# Allegro board 8880F5-0823_2_1.brd (continued)
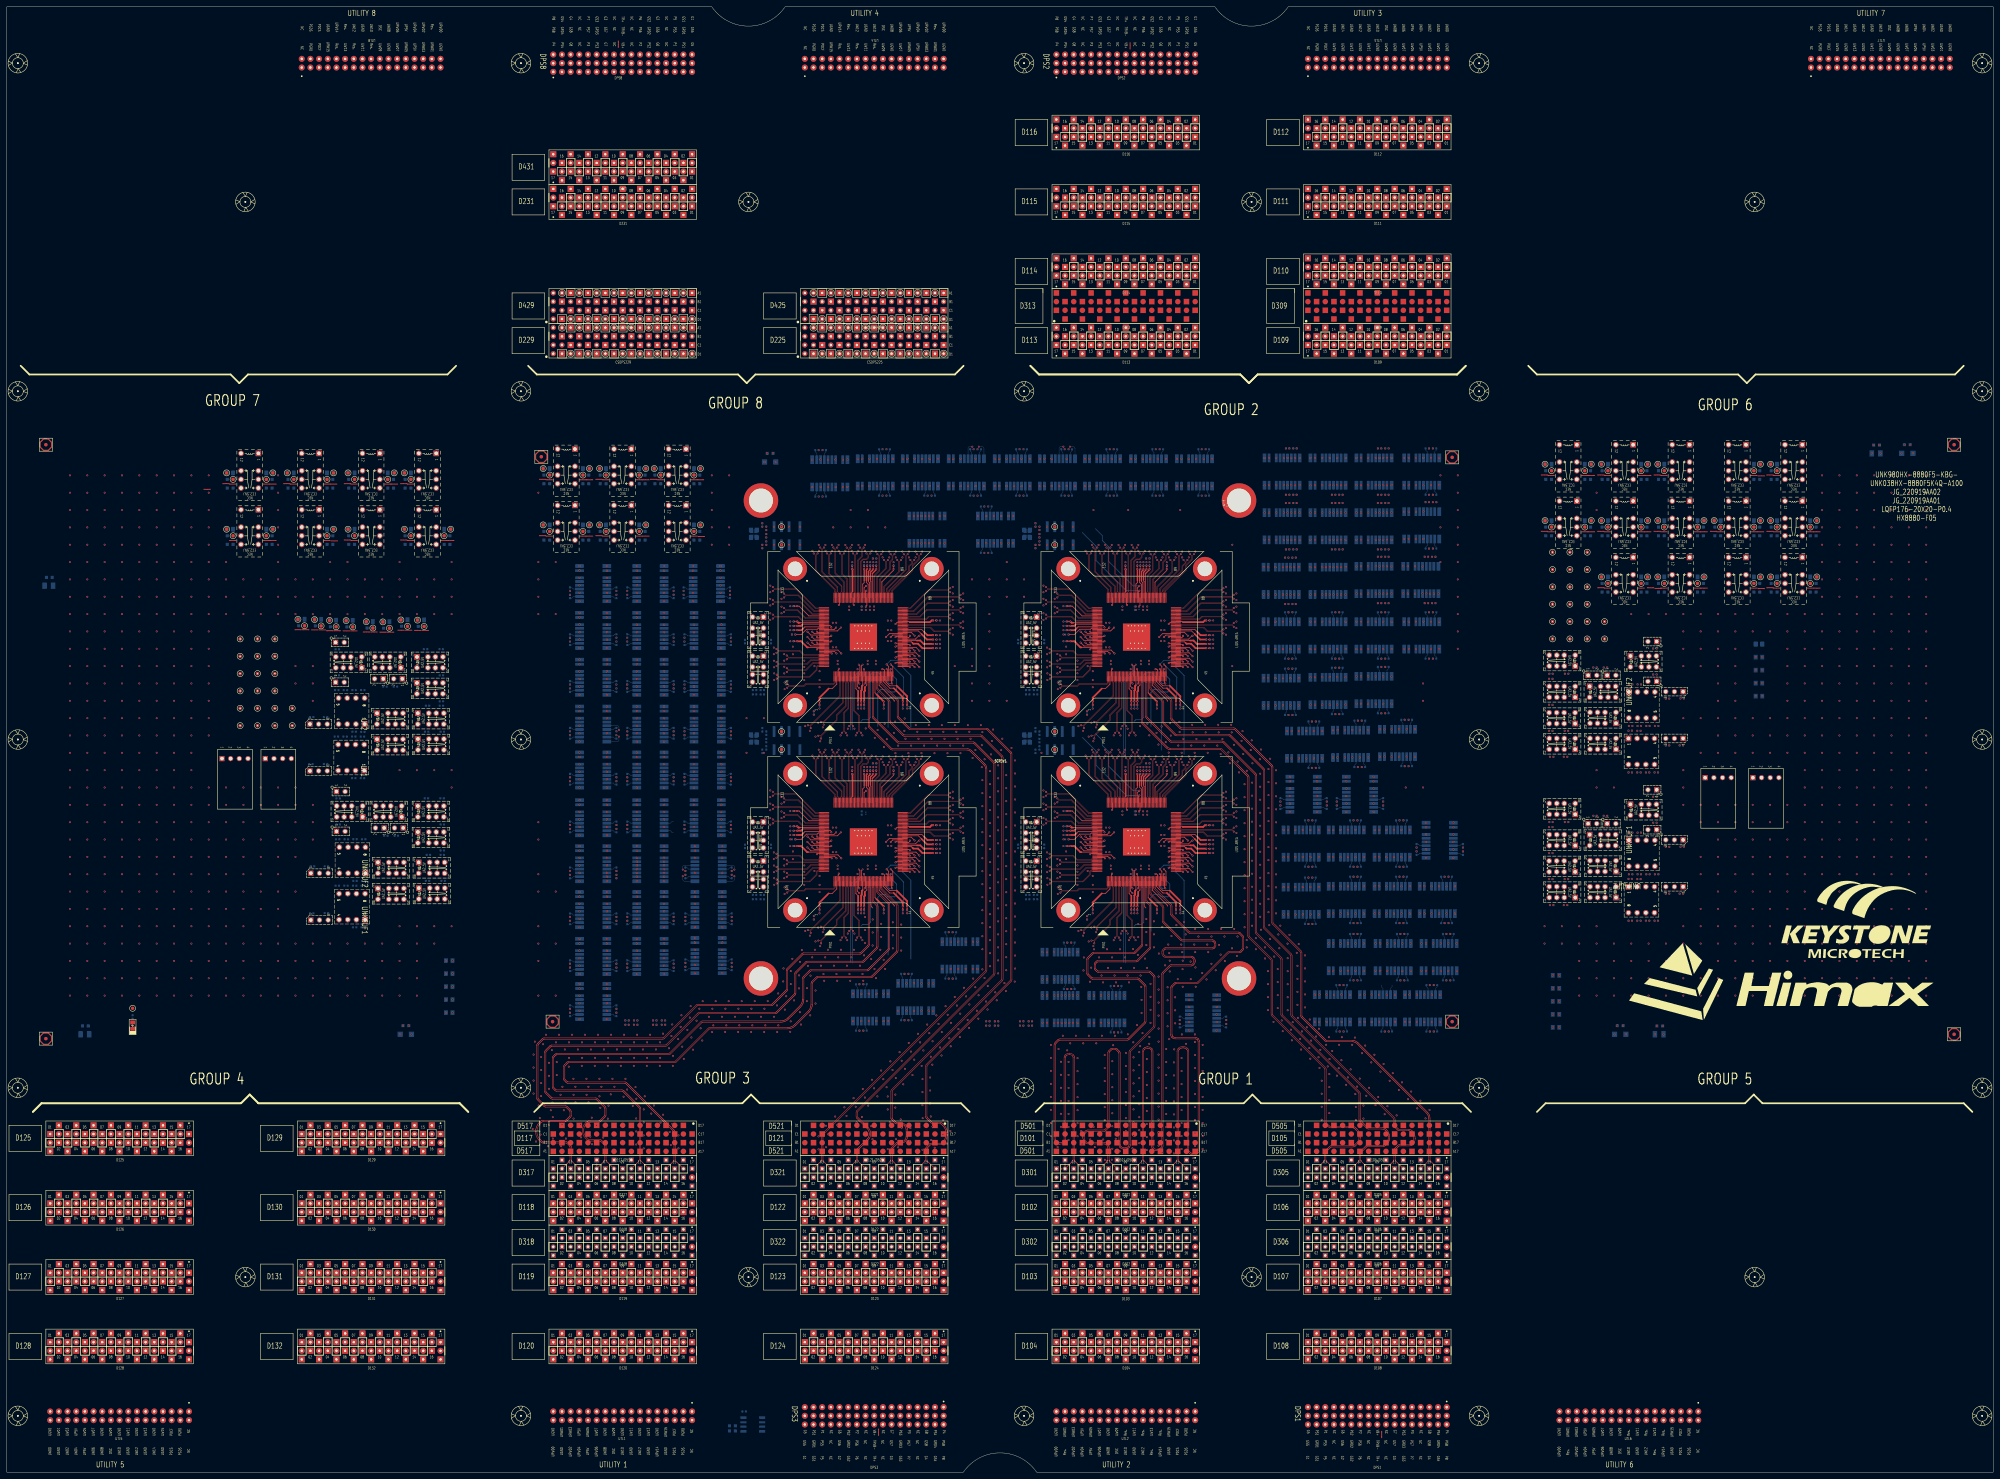
[diagram p0: board, top side]
## Placement (name value [footprint] x y rotation side) (continued)
NOREF#1974  -  []  339.89 288.41 90 top
NOREF#1975  -  []  456.08 171.53 0 top
NOREF#1976  -  []  373.87 171.39 0 top
NOREF#1977  -  []  107.02 171.57 0 top
NOREF#1978  -  []  459.24 175.86 0 top
NOREF#1979  -  []  339.97 204.35 90 top
NOREF#1980  -  []  390.94 273.16 90 top
NOREF#1981  -  []  218.13 274.06 0 top
NOREF#1982  -  []  390.53 171.64 0 top
NOREF#1983  -  []  184.47 247.18 90 top
NOREF#1984  -  []  449.99 217.9 0 top
NOREF#1985  -  []  201.23 233.47 90 top
NOREF#1986  -  []  209.33 201.79 90 top
NOREF#1987  -  []  192.47 164.3 90 top
NOREF#1988  -  []  461.96 166.93 0 top
NOREF#1989  -  []  185.2 276.04 90 top
NOREF#1990  -  []  167.7 201.89 90 top
NOREF#1991  -  []  412.62 297.12 0 top
NOREF#1992  -  []  392.47 272.66 90 top
NOREF#1993  -  []  388.43 146.88 0 top
NOREF#1994  -  []  182.57 185.42 0 top
NOREF#1995  -  []  414.57 265.37 0 top
NOREF#1996  -  []  96.33 238.84 0 top
NOREF#1997  -  []  272.25 185.5 0 top
NOREF#1998  -  []  304.61 131.64 0 top
NOREF#1999  -  []  215.96 177.06 0 top
NOREF#2000  -  []  387.39 281.11 0 top
NOREF#2001  -  []  352.25 245.5 0 top
NOREF#2002  -  []  330.17 163.82 90 top
NOREF#2003  -  []  199.84 148.65 90 top
NOREF#2004  -  []  253.4 205.56 0 top
NOREF#2005  -  []  397.8 163.19 90 top
NOREF#2006  -  []  115.36 235.64 0 top
NOREF#2007  -  []  405.93 256.82 90 top
NOREF#2008  -  []  177.33 187.32 90 top
NOREF#2009  -  []  209.23 218.65 90 top
NOREF#2010  -  []  271.04 182.96 0 top
NOREF#2011  -  []  408.63 290.39 90 top
NOREF#2012  -  []  351.04 245.5 0 top
NOREF#2013  -  []  351.34 189.5 0 top
NOREF#2014  -  []  175.7 250.38 90 top
NOREF#2015  -  []  250.49 163.52 90 top
NOREF#2016  -  []  413.51 207.71 90 top
NOREF#2017  -  []  375.22 163.39 0 top
NOREF#2018  -  []  251.05 265.86 90 top
NOREF#2019  -  []  327.25 265.56 90 top
NOREF#2020  -  []  184.47 229.07 90 top
NOREF#2021  -  []  167.7 241.43 90 top
NOREF#2022  -  []  331.38 224.74 90 top
NOREF#2023  -  []  367.48 242.38 90 top
NOREF#2024  -  []  405.93 272.56 90 top
NOREF#2025  -  []  155.57 291.65 90 top
NOREF#2026  -  []  230.73 243.41 0 top
NOREF#2027  -  []  248.96 164.74 0 top
NOREF#2028  -  []  310.41 248.88 90 top
NOREF#2029  -  []  298.13 214.06 90 top
NOREF#2030  -  []  384.36 131.89 0 top
NOREF#2031  -  []  108.01 195.15 0 top
NOREF#2032  -  []  351.04 189.18 0 top
NOREF#2033  -  []  401.89 180.15 0 top
NOREF#2034  -  []  318.32 131.64 0 top
NOREF#2035  -  []  199.59 189.04 90 top
NOREF#2036  -  []  352.55 181.37 0 top
NOREF#2037  -  []  336.77 163.82 90 top
NOREF#2038  -  []  460.89 174.46 90 top
NOREF#2039  -  []  192.47 243.88 90 top
NOREF#2040  -  []  253.4 265.55 0 top
NOREF#2041  -  []  271.34 185.18 0 top
NOREF#2042  -  []  275.28 290.13 90 top
NOREF#2043  -  []  250.49 164.74 90 top
NOREF#2044  -  []  456.08 230.2 0 top
NOREF#2045  -  []  400.24 198.08 90 top
NOREF#2046  -  []  262.34 143.19 0 top
NOREF#2047  -  []  260.99 135.19 90 top
NOREF#2048  -  []  324.65 288.86 0 top
NOREF#2049  -  []  295.96 177.06 0 top
NOREF#2050  -  []  271.82 134.74 90 top
NOREF#2051  -  []  247.78 140.14 0 top
NOREF#2052  -  []  271.04 249.82 0 top
NOREF#2053  -  []  352.25 182.32 90 top
NOREF#2054  -  []  215.96 248.49 0 top
NOREF#2055  -  []  275.12 271.65 90 top
NOREF#2056  -  []  219.76 297.18 0 top
NOREF#2057  -  []  201.49 178.86 90 top
NOREF#2058  -  []  310.43 246.34 0 top
NOREF#2059  -  []  253.4 264.35 90 top
NOREF#2060  -  []  230.73 246.66 0 top
NOREF#2061  -  []  331.54 192.73 90 top
NOREF#2062  -  []  397.3 209.36 0 top
NOREF#2063  -  []  230.43 187.61 0 top
NOREF#2064  -  []  230.73 183.41 0 top
NOREF#2065  -  []  230.43 243.09 0 top
NOREF#2066  -  []  177.33 201.29 90 top
NOREF#2067  -  []  272.25 184.23 0 top
NOREF#2068  -  []  238.3 223.52 90 top
NOREF#2069  -  []  119.7 238.84 0 top
NOREF#2070  -  []  229.21 193.37 0 top
NOREF#2071  -  []  259.65 265.86 90 top
NOREF#2072  -  []  459.24 219.3 0 top
NOREF#2073  -  []  404.15 289.12 0 top
NOREF#2074  -  []  394.66 274.38 90 top
NOREF#2075  -  []  247.57 264.65 90 top
NOREF#2076  -  []  194.09 242.18 90 top
NOREF#2077  -  []  251.62 204.35 90 top
NOREF#2078  -  []  256.73 132.14 0 top
NOREF#2079  -  []  108.27 171.02 0 top
NOREF#2080  -  []  372.72 161.49 0 top
NOREF#2081  -  []  272.25 241.05 90 top
NOREF#2082  -  []  240.94 151.63 90 top
NOREF#2083  -  []  241.82 167.13 90 top
NOREF#2084  -  []  336.77 225.04 90 top
NOREF#2085  -  []  495.08 277.31 90 top
NOREF#2086  -  []  192.57 228.97 90 top
NOREF#2087  -  []  328.42 129.74 90 top
NOREF#2088  -  []  165.8 158.5 0 top
NOREF#2089  -  []  399.8 207.46 90 top
NOREF#2090  -  []  155.57 272.6 90 top
NOREF#2091  -  []  168.69 290.01 90 top
NOREF#2092  -  []  175.7 189.02 90 top
NOREF#2093  -  []  184.47 206.29 90 top
NOREF#2094  -  []  247.25 265.56 0 top
NOREF#2095  -  []  461.86 230.75 0 top
NOREF#2096  -  []  303.26 139.64 0 top
NOREF#2097  -  []  201.66 213.45 90 top
NOREF#2098  -  []  304.65 211.67 0 top
NOREF#2099  -  []  312.79 288.86 90 top
NOREF#2100  -  []  284.77 288.86 0 top
NOREF#2101  -  []  310.43 193.37 90 top
NOREF#2102  -  []  400.91 207.71 0 top
NOREF#2103  -  []  247.78 132.14 90 top
NOREF#2104  -  []  373.68 249.11 0 top
NOREF#2105  -  []  424.05 163.64 90 top
NOREF#2106  -  []  116.01 222.33 0 top
NOREF#2107  -  []  333.4 265.56 0 top
NOREF#2108  -  []  108.01 222.33 0 top
NOREF#2109  -  []  302.11 240.71 0 top
NOREF#2110  -  []  192.57 174.36 90 top
NOREF#2111  -  []  230.43 247.61 90 top
NOREF#2112  -  []  395.2 249.11 0 top
NOREF#2113  -  []  165.8 254 90 top
NOREF#2114  -  []  388.66 139.89 0 top
NOREF#2115  -  []  98.78 195.15 0 top
NOREF#2116  -  []  342.63 296.86 0 top
NOREF#2117  -  []  184.47 241.43 90 top
NOREF#2118  -  []  340.83 174.63 90 top
NOREF#2119  -  []  332.83 205.86 90 top
NOREF#2120  -  []  260.99 143.19 0 top
NOREF#2121  -  []  230.73 249.2 0 top
NOREF#2122  -  []  313.22 288.31 90 top
NOREF#2123  -  []  314.55 286.96 0 top
NOREF#2124  -  []  336.45 164.74 0 top
NOREF#2125  -  []  310.73 243.41 0 top
NOREF#2126  -  []  334.61 205.86 90 top
NOREF#2127  -  []  342.04 164.74 0 top
NOREF#2128  -  []  398.53 161.74 90 top
NOREF#2129  -  []  295.96 177.06 0 top
NOREF#2130  -  []  373.32 164.66 90 top
NOREF#2131  -  []  295.96 248.49 0 top
NOREF#2132  -  []  405.93 240.66 90 top
NOREF#2133  -  []  385.61 208.56 90 top
NOREF#2134  -  []  192.47 236.67 90 top
NOREF#2135  -  []  518.38 257.36 90 top
NOREF#2136  -  []  184.89 240.88 90 top
NOREF#2137  -  []  167.7 178.86 90 top
NOREF#2138  -  []  327.25 205.56 0 top
NOREF#2139  -  []  450.03 210.36 0 top
NOREF#2140  -  []  394 217.36 0 top
NOREF#2141  -  []  118.45 239.39 0 top
NOREF#2142  -  []  410.78 131.89 0 top
NOREF#2143  -  []  401.87 194.18 90 top
NOREF#2144  -  []  122.15 195.15 0 top
NOREF#2145  -  []  272.24 181.05 90 top
NOREF#2146  -  []  226.44 294.64 90 top
NOREF#2147  -  []  465.81 171.53 0 top
NOREF#2148  -  []  177.33 133.47 90 top
NOREF#2149  -  []  253.4 205.56 90 top
NOREF#2150  -  []  184.47 227.72 0 top
NOREF#2151  -  []  459.28 236.14 90 top
NOREF#2152  -  []  251.05 205.86 90 top
NOREF#2153  -  []  301.56 190.49 0 top
NOREF#2154  -  []  257.9 246.35 90 top
NOREF#2155  -  []  343.31 224.72 0 top
NOREF#2156  -  []  463.61 222.58 0 top
NOREF#2157  -  []  271.34 182.64 0 top
NOREF#2158  -  []  344.37 128.27 90 top
NOREF#2159  -  []  155.57 289.11 90 top
NOREF#2160  -  []  396.55 273.11 0 top
NOREF#2161  -  []  387.39 297.12 0 top
NOREF#2162  -  []  192.47 257.6 90 top
NOREF#2163  -  []  118.33 286.94 90 top
NOREF#2164  -  []  209.23 222.95 90 top
NOREF#2165  -  []  222.11 252.14 0 top
NOREF#2166  -  []  223.15 271.32 90 top
NOREF#2167  -  []  410.52 289.12 0 top
NOREF#2168  -  []  310.43 193.37 0 top
NOREF#2169  -  []  230.43 187.61 90 top
NOREF#2170  -  []  272.25 241.69 0 top
NOREF#2171  -  []  329.6 223.52 90 top
NOREF#2172  -  []  200.98 260.9 90 top
NOREF#2173  -  []  333.4 204.35 90 top
NOREF#2174  -  []  456.08 186.77 0 top
NOREF#2175  -  []  383.09 289.12 0 top
NOREF#2176  -  []  319.33 243.63 90 top
NOREF#2177  -  []  192.47 148.38 90 top
NOREF#2178  -  []  302.71 132.91 90 top
NOREF#2179  -  []  201.23 186.57 90 top
NOREF#2180  -  []  166.06 162.12 90 top
NOREF#2181  -  []  351.04 241.69 0 top
NOREF#2182  -  []  274.37 147.93 90 top
NOREF#2183  -  []  232.25 211.67 90 top
NOREF#2184  -  []  342.36 223.82 90 top
NOREF#2185  -  []  310.41 243.09 90 top
NOREF#2186  -  []  343.31 224.74 0 top
NOREF#2187  -  []  311.15 159.63 90 top
NOREF#2188  -  []  229.51 187.93 0 top
NOREF#2189  -  []  315.16 290.13 90 top
NOREF#2190  -  []  272.25 181.05 90 top
NOREF#2191  -  []  478.57 274.77 90 top
NOREF#2192  -  []  107.02 171.57 0 top
NOREF#2193  -  []  271.04 242.96 0 top
NOREF#2194  -  []  373.32 181.42 90 top
NOREF#2195  -  []  329.16 296.86 0 top
NOREF#2196  -  []  411.26 179.7 90 top
NOREF#2197  -  []  376.98 257.11 0 top
NOREF#2198  -  []  339.33 205.55 0 top
NOREF#2199  -  []  380.53 217.11 0 top
NOREF#2200  -  []  385.19 297.12 0 top
NOREF#2201  -  []  343.95 223.52 90 top
NOREF#2202  -  []  392.47 224.4 90 top
NOREF#2203  -  []  209.49 148.63 90 top
NOREF#2204  -  []  201.23 219.75 90 top
NOREF#2205  -  []  472.86 210.36 90 top
NOREF#2206  -  []  377.23 241.16 90 top
NOREF#2207  -  []  188.08 291.65 90 top
NOREF#2208  -  []  263.44 135.19 0 top
NOREF#2209  -  []  392.47 256.66 90 top
NOREF#2210  -  []  165.8 199.39 0 top
NOREF#2211  -  []  182.82 216.47 90 top
NOREF#2212  -  []  184.47 151.68 90 top
NOREF#2213  -  []  201.49 159.65 0 top
NOREF#2214  -  []  250.17 165.04 90 top
NOREF#2215  -  []  394.46 129.99 90 top
NOREF#2216  -  []  407.67 129.99 90 top
NOREF#2217  -  []  460.93 234.74 90 top
NOREF#2218  -  []  306.85 211.67 0 top
NOREF#2219  -  []  192.47 209.49 90 top
NOREF#2220  -  []  471.21 175.95 90 top
NOREF#2221  -  []  333.72 265.86 90 top
NOREF#2222  -  []  403.41 209.61 0 top
NOREF#2223  -  []  167.7 227.72 0 top
NOREF#2224  -  []  312.21 144.34 0 top
NOREF#2225  -  []  201.49 151.93 90 top
NOREF#2226  -  []  392.04 257.11 90 top
NOREF#2227  -  []  390.34 192.28 0 top
NOREF#2228  -  []  119.99 214.79 0 top
NOREF#2229  -  []  247.89 264.35 90 top
NOREF#2230  -  []  406.65 271.21 90 top
NOREF#2231  -  []  379 288.57 90 top
NOREF#2232  -  []  284.77 146.93 90 top
NOREF#2233  -  []  401.52 210.88 90 top
NOREF#2234  -  []  404.24 146.88 0 top
NOREF#2235  -  []  459.24 175.86 90 top
NOREF#2236  -  []  229.51 183.41 0 top
NOREF#2237  -  []  226.27 216.63 90 top
NOREF#2238  -  []  388.43 146.88 0 top
NOREF#2239  -  []  271.04 184.23 0 top
NOREF#2240  -  []  351.04 249.18 0 top
NOREF#2241  -  []  375.73 199.18 90 top
NOREF#2242  -  []  167.7 192.32 90 top
NOREF#2243  -  []  167.7 206.29 90 top
NOREF#2244  -  []  304.65 271.67 0 top
NOREF#2245  -  []  343.98 288.86 0 top
NOREF#2246  -  []  366.88 239.21 0 top
NOREF#2247  -  []  194.09 146.68 90 top
NOREF#2248  -  []  396.22 139.89 0 top
NOREF#2249  -  []  167.7 233.47 90 top
NOREF#2250  -  []  352.24 243.59 90 top
NOREF#2251  -  []  249.6 223.52 90 top
NOREF#2252  -  []  105.83 190.55 90 top
NOREF#2253  -  []  396.28 163.69 90 top
NOREF#2254  -  []  119.76 127 90 top
NOREF#2255  -  []  272.25 242.32 90 top
NOREF#2256  -  []  393.31 131.89 90 top
NOREF#2257  -  []  310.41 188.88 90 top
NOREF#2258  -  []  376.15 192.88 90 top
NOREF#2259  -  []  119.7 231.22 0 top
NOREF#2260  -  []  66.26 287.84 90 top
NOREF#2261  -  []  35.83 128.17 90 top
NOREF#2262  -  []  259.33 265.55 0 top
NOREF#2263  -  []  419.47 241.11 90 top
NOREF#2264  -  []  399.07 208.81 90 top
NOREF#2265  -  []  352.24 183.59 90 top
NOREF#2266  -  []  405.93 224.56 90 top
NOREF#2267  -  []  339.33 265.56 0 top
NOREF#2268  -  []  460.93 191.31 90 top
NOREF#2269  -  []  182.57 226.57 90 top
NOREF#2270  -  []  199.33 240.28 90 top
NOREF#2271  -  []  309.21 243.09 0 top
NOREF#2272  -  []  451.64 222.5 0 top
NOREF#2273  -  []  330.73 205.55 0 top
NOREF#2274  -  []  259.33 205.56 0 top
NOREF#2275  -  []  392.66 192.88 90 top
NOREF#2276  -  []  351.34 241.37 0 top
NOREF#2277  -  []  230.43 183.09 90 top
NOREF#2278  -  []  209.23 216.45 90 top
NOREF#2279  -  []  468.85 257.36 90 top
NOREF#2280  -  []  378.33 241.11 90 top
NOREF#2281  -  []  101.82 290.38 90 top
NOREF#2282  -  []  387.08 171.64 0 top
NOREF#2283  -  []  175.8 187.82 90 top
NOREF#2284  -  []  377.23 224.65 90 top
NOREF#2285  -  []  413.96 182.44 90 top
NOREF#2286  -  []  380.59 287.22 0 top
NOREF#2287  -  []  332.61 296.86 0 top
NOREF#2288  -  []  217.41 213.24 90 top
NOREF#2289  -  []  331.94 264.65 90 top
NOREF#2290  -  []  351.04 244.23 0 top
NOREF#2291  -  []  226.83 209.63 90 top
NOREF#2292  -  []  230.73 253.69 0 top
NOREF#2293  -  []  394.05 271.21 0 top
NOREF#2294  -  []  201.23 192.32 90 top
NOREF#2295  -  []  256.77 225.04 90 top
NOREF#2296  -  []  390.94 224.9 90 top
NOREF#2297  -  []  271.34 183.91 0 top
NOREF#2298  -  []  259.33 205.55 0 top
NOREF#2299  -  []  381.74 249.11 0 top
NOREF#2300  -  []  336.45 164.72 0 top
NOREF#2301  -  []  405.93 272.66 90 top
NOREF#2302  -  []  194.09 228.47 90 top
NOREF#2303  -  []  175.8 201.79 90 top
NOREF#2304  -  []  461.86 225.6 90 top
NOREF#2305  -  []  453.88 214.96 0 top
NOREF#2306  -  []  108.27 178.64 0 top
NOREF#2307  -  []  385.19 281.11 0 top
NOREF#2308  -  []  250.49 224.74 90 top
NOREF#2309  -  []  94.93 190.55 0 top
NOREF#2310  -  []  463.11 230.2 0 top
NOREF#2311  -  []  308.14 296.86 0 top
NOREF#2312  -  []  118.96 179.19 0 top
NOREF#2313  -  []  167.7 219.75 90 top
NOREF#2314  -  []  332.51 265.56 0 top
NOREF#2315  -  []  175.7 137.37 90 top
NOREF#2316  -  []  184.47 149.48 90 top
NOREF#2317  -  []  185.2 273.5 90 top
NOREF#2318  -  []  184.47 165.4 90 top
NOREF#2319  -  []  451.64 179.06 0 top
NOREF#2320  -  []  390.69 241.11 0 top
NOREF#2321  -  []  302.11 142.44 0 top
NOREF#2322  -  []  175.8 174.36 90 top
NOREF#2323  -  []  332.51 204.35 90 top
NOREF#2324  -  []  528.1 273.87 90 top
NOREF#2325  -  []  167.7 256.5 90 top
NOREF#2326  -  []  199.33 199.39 90 top
NOREF#2327  -  []  331.62 205.55 0 top
NOREF#2328  -  []  327.89 264.35 90 top
NOREF#2329  -  []  418.38 131.89 0 top
NOREF#2330  -  []  351.04 184.23 0 top
NOREF#2331  -  []  371.48 241.11 0 top
NOREF#2332  -  []  390.69 273.11 0 top
NOREF#2333  -  []  184.47 201.89 90 top
NOREF#2334  -  []  413.1 144.98 0 top
NOREF#2335  -  []  395.07 129.99 0 top
NOREF#2336  -  []  192.47 230.17 90 top
NOREF#2337  -  []  453.88 186.77 0 top
NOREF#2338  -  []  320.83 194.63 0 top
NOREF#2339  -  []  465.45 273.87 90 top
NOREF#2340  -  []  261.63 195.43 90 top
NOREF#2341  -  []  339.65 204.65 90 top
NOREF#2342  -  []  272.24 241.05 90 top
NOREF#2343  -  []  272.55 242.64 0 top
NOREF#2344  -  []  415.1 163.64 0 top
NOREF#2345  -  []  317.05 288.86 0 top
NOREF#2346  -  []  371.48 265.11 0 top
NOREF#2347  -  []  310.43 187.61 90 top
NOREF#2348  -  []  351.83 288.91 90 top
NOREF#2349  -  []  230.41 193.37 90 top
NOREF#2350  -  []  310.43 188.88 90 top
NOREF#2351  -  []  501.87 273.87 90 top
NOREF#2352  -  []  221.56 171.46 0 top
NOREF#2353  -  []  167.7 159.65 90 top
NOREF#2354  -  []  118.7 222.88 0 top
NOREF#2355  -  []  398.65 233.11 0 top
NOREF#2356  -  []  352.25 183.59 90 top
NOREF#2357  -  []  289.01 272.1 0 top
NOREF#2358  -  []  528.1 259.9 90 top
NOREF#2359  -  []  367.73 274.38 90 top
NOREF#2360  -  []  330.49 163.52 90 top
NOREF#2361  -  []  405.93 288.57 90 top
NOREF#2362  -  []  351.34 245.18 0 top
NOREF#2363  -  []  230.41 253.37 90 top
NOREF#2364  -  []  112.41 195.15 0 top
NOREF#2365  -  []  209.49 182.06 90 top
NOREF#2366  -  []  396.55 225.11 0 top
NOREF#2367  -  []  352.25 243.59 90 top
NOREF#2368  -  []  316.43 132.91 90 top
NOREF#2369  -  []  346.27 135.17 90 top
NOREF#2370  -  []  398.65 257.37 0 top
NOREF#2371  -  []  118.7 195.7 0 top
NOREF#2372  -  []  211.11 160.4 90 top
NOREF#2373  -  []  112.67 178.64 0 top
NOREF#2374  -  []  251.62 264.35 90 top
NOREF#2375  -  []  352.55 249.5 0 top
NOREF#2376  -  []  410.27 257.37 0 top
NOREF#2377  -  []  192.57 187.82 90 top
NOREF#2378  -  []  326.17 131.69 90 top
NOREF#2379  -  []  168.13 240.88 90 top
NOREF#2380  -  []  210.86 187.32 90 top
NOREF#2381  -  []  375.22 180.15 0 top
NOREF#2382  -  []  412.37 257.37 0 top
NOREF#2383  -  []  314.33 228.13 90 top
NOREF#2384  -  []  386.53 181.42 90 top
NOREF#2385  -  []  103.93 235.64 90 top
NOREF#2386  -  []  118.99 171.65 0 top
NOREF#2387  -  []  258.2 186.67 0 top
NOREF#2388  -  []  286.12 288.86 90 top
NOREF#2389  -  []  398.65 281.11 0 top
NOREF#2390  -  []  330.73 265.55 0 top
NOREF#2391  -  []  340.83 234.63 90 top
NOREF#2392  -  []  411.52 146.43 90 top
NOREF#2393  -  []  110.47 178.64 0 top
NOREF#2394  -  []  184.47 192.32 90 top
NOREF#2395  -  []  384.08 209.16 90 top
NOREF#2396  -  []  271.31 288.86 0 top
NOREF#2397  -  []  330.49 223.52 90 top
NOREF#2398  -  []  166.06 243.9 90 top
NOREF#2399  -  []  419.22 257.37 90 top
NOREF#2400  -  []  456.04 222.5 0 top
NOREF#2401  -  []  184.47 255.15 90 top
NOREF#2402  -  []  383.07 180.2 90 top
NOREF#2403  -  []  310.41 183.09 90 top
NOREF#2404  -  []  175.7 177.76 90 top
NOREF#2405  -  []  384.59 162.84 90 top
NOREF#2406  -  []  184.47 173.11 90 top
NOREF#2407  -  []  209.59 174.36 90 top
NOREF#2408  -  []  177.33 173.86 90 top
NOREF#2409  -  []  261.82 290.13 90 top
NOREF#2410  -  []  192.47 189.02 90 top
NOREF#2411  -  []  310.43 253.37 0 top
NOREF#2412  -  []  401.89 163.64 0 top
NOREF#2413  -  []  107.02 179.19 0 top
NOREF#2414  -  []  166.06 135.19 90 top
NOREF#2415  -  []  351.04 181.69 0 top
NOREF#2416  -  []  409.49 180.15 0 top
NOREF#2417  -  []  322.23 173.13 90 top
NOREF#2418  -  []  246.23 173.13 0 top
NOREF#2419  -  []  340.61 286.96 90 top
NOREF#2420  -  []  253.4 265.56 90 top
NOREF#2421  -  []  334.29 265.56 0 top
NOREF#2422  -  []  75.98 273.87 90 top
NOREF#2423  -  []  253.33 241.33 90 top
NOREF#2424  -  []  424.98 146.33 90 top
NOREF#2425  -  []  352.55 183.91 0 top
NOREF#2426  -  []  249.85 164.74 0 top
NOREF#2427  -  []  379.73 287.22 90 top
NOREF#2428  -  []  250.73 265.56 0 top
NOREF#2429  -  []  218.16 188.49 0 top
NOREF#2430  -  []  339.65 265.86 90 top
NOREF#2431  -  []  387.08 154.88 0 top
NOREF#2432  -  []  312.25 211.67 90 top
NOREF#2433  -  []  230.73 189.2 0 top
NOREF#2434  -  []  201.23 187.92 90 top
NOREF#2435  -  []  239.33 236.03 90 top
NOREF#2436  -  []  272.24 244.86 90 top
NOREF#2437  -  []  384.17 180.15 90 top
NOREF#2438  -  []  230.43 253.37 90 top
NOREF#2439  -  []  277.17 288.86 0 top
NOREF#2440  -  []  392.24 194.78 90 top
NOREF#2441  -  []  220.36 177.06 0 top
NOREF#2442  -  []  309.21 248.88 0 top
NOREF#2443  -  []  247.25 204.35 90 top
NOREF#2444  -  []  403.99 180.15 0 top
NOREF#2445  -  []  419.73 131.89 90 top
NOREF#2446  -  []  175.8 147.18 90 top
NOREF#2447  -  []  182.57 185.42 90 top
NOREF#2448  -  []  333.72 264.65 90 top
NOREF#2449  -  []  495.08 259.9 90 top
NOREF#2450  -  []  124.61 178.64 0 top
NOREF#2451  -  []  201.49 165.4 90 top
NOREF#2452  -  []  346.69 128.87 90 top
NOREF#2453  -  []  333.4 265.56 90 top
NOREF#2454  -  []  333.33 181.33 90 top
NOREF#2455  -  []  330.74 164.72 0 top
NOREF#2456  -  []  409.17 249.11 0 top
NOREF#2457  -  []  331.62 265.55 0 top
NOREF#2458  -  []  406.44 154.88 0 top
NOREF#2459  -  []  259.88 288.41 90 top
NOREF#2460  -  []  415.61 185.72 90 top
NOREF#2461  -  []  265.64 135.19 0 top
NOREF#2462  -  []  118.7 217.73 90 top
NOREF#2463  -  []  230.43 249.52 0 top
NOREF#2464  -  []  395.67 133.16 90 top
NOREF#2465  -  []  296.81 275.94 0 top
NOREF#2466  -  []  419.47 289.12 90 top
NOREF#2467  -  []  259.65 205.86 90 top
NOREF#2468  -  []  419.4 171.64 0 top
NOREF#2469  -  []  127.55 191.95 90 top
NOREF#2470  -  []  229.21 248.88 0 top
NOREF#2471  -  []  459.28 168.33 0 top
NOREF#2472  -  []  263.63 223.82 90 top
NOREF#2473  -  []  184.89 186.02 90 top
NOREF#2474  -  []  329.85 164.72 0 top
NOREF#2475  -  []  165.8 185.42 90 top
NOREF#2476  -  []  230.43 254.01 0 top
NOREF#2477  -  []  396.03 163.64 0 top
NOREF#2478  -  []  396.55 257.37 0 top
NOREF#2479  -  []  110.21 222.33 0 top
NOREF#2480  -  []  460.93 210.36 90 top
NOREF#2481  -  []  230.73 193.69 0 top
NOREF#2482  -  []  188.08 289.11 90 top
NOREF#2483  -  []  392.47 256.56 90 top
NOREF#2484  -  []  373.93 297.12 0 top
NOREF#2485  -  []  201.91 159.1 90 top
NOREF#2486  -  []  354.27 138.37 90 top
NOREF#2487  -  []  369.38 224.6 0 top
NOREF#2488  -  []  175.8 133.97 90 top
NOREF#2489  -  []  327.25 265.55 0 top
NOREF#2490  -  []  184.47 215.35 90 top
NOREF#2491  -  []  300.36 188.49 0 top
NOREF#2492  -  []  451.68 195.91 0 top
NOREF#2493  -  []  249.28 225.04 90 top
NOREF#2494  -  []  397.8 163.09 90 top
NOREF#2495  -  []  383.73 195.88 90 top
NOREF#2496  -  []  271.34 243.91 0 top
NOREF#2497  -  []  175.7 257.6 90 top
NOREF#2498  -  []  378.75 256.56 90 top
NOREF#2499  -  []  343.63 165.04 90 top
NOREF#2500  -  []  172.08 275.14 90 top
NOREF#2501  -  []  201.49 165.4 90 top
NOREF#2502  -  []  115.87 175.44 90 top
NOREF#2503  -  []  184.47 219.75 90 top
NOREF#2504  -  []  310.83 164.63 0 top
NOREF#2505  -  []  209.23 232.37 90 top
NOREF#2506  -  []  418.12 289.12 0 top
NOREF#2507  -  []  369.63 273.11 0 top
NOREF#2508  -  []  260.83 234.63 90 top
NOREF#2509  -  []  380.59 222.95 0 top
NOREF#2510  -  []  461.96 217.98 0 top
NOREF#2511  -  []  396.55 225.11 0 top
NOREF#2512  -  []  459.28 183.57 0 top
NOREF#2513  -  []  235.85 296.61 0 top
NOREF#2514  -  []  201.49 163.2 90 top
NOREF#2515  -  []  184.47 214 90 top
NOREF#2516  -  []  249.6 224.74 90 top
NOREF#2517  -  []  473.7 176.22 90 top
NOREF#2518  -  []  184.47 233.47 90 top
NOREF#2519  -  []  253.33 181.33 90 top
NOREF#2520  -  []  284.36 280.1 0 top
NOREF#2521  -  []  310.43 248.88 90 top
NOREF#2522  -  []  120.21 178.64 0 top
NOREF#2523  -  []  222.11 240.71 0 top
NOREF#2524  -  []  272.55 249.5 0 top
NOREF#2525  -  []  368.28 281.11 0 top
NOREF#2526  -  []  329.28 225.04 90 top
NOREF#2527  -  []  175.7 135.17 90 top
NOREF#2528  -  []  367.48 225.87 90 top
NOREF#2529  -  []  339.33 265.56 90 top
NOREF#2530  -  []  331.94 205.86 90 top
NOREF#2531  -  []  108.01 214.71 0 top
NOREF#2532  -  []  238.45 257.01 0 top
NOREF#2533  -  []  168.13 159.1 90 top
NOREF#2534  -  []  182.57 199.39 0 top
NOREF#2535  -  []  330.73 265.56 0 top
NOREF#2536  -  []  381.2 274.38 90 top
NOREF#2537  -  []  402.14 146.88 0 top
NOREF#2538  -  []  215.96 188.49 0 top
NOREF#2539  -  []  374.88 217.11 0 top
NOREF#2540  -  []  477.24 195.66 0 top
NOREF#2541  -  []  518.38 276.41 90 top
NOREF#2542  -  []  351.34 189.5 0 top
NOREF#2543  -  []  223.15 211.32 90 top
NOREF#2544  -  []  209.49 162.1 90 top
NOREF#2545  -  []  385.93 161.74 0 top
NOREF#2546  -  []  304.61 131.64 0 top
NOREF#2547  -  []  404.4 241.16 90 top
NOREF#2548  -  []  229.51 247.93 0 top
NOREF#2549  -  []  396.28 146.93 90 top
NOREF#2550  -  []  405.5 273.11 90 top
NOREF#2551  -  []  555.66 300.54 90 top
NOREF#2552  -  []  229.21 188.88 0 top
NOREF#2553  -  []  175.8 228.97 90 top
NOREF#2554  -  []  328.33 187.93 0 top
NOREF#2555  -  []  328.96 164.74 0 top
NOREF#2556  -  []  388.43 180.15 0 top
NOREF#2557  -  []  352.25 185.5 0 top
NOREF#2558  -  []  346.08 296.86 0 top
NOREF#2559  -  []  318.3 164.74 90 top
NOREF#2560  -  []  392.24 193.43 0 top
NOREF#2561  -  []  209.59 147.43 90 top
NOREF#2562  -  []  259.65 264.65 90 top
NOREF#2563  -  []  451.68 230.2 0 top
NOREF#2564  -  []  367.73 290.39 90 top
NOREF#2565  -  []  201.66 199.99 90 top
NOREF#2566  -  []  184.47 190.12 90 top
NOREF#2567  -  []  404.4 257.42 90 top
NOREF#2568  -  []  396.03 146.88 0 top
NOREF#2569  -  []  257.09 223.52 90 top
NOREF#2570  -  []  237.2 296.61 0 top
NOREF#2571  -  []  377.23 289.12 0 top
NOREF#2572  -  []  387.08 188.15 0 top
R1  NC/1M-1-S4  [R0402]  221.23 227.84 180 bottom
R2  NC/1M-1-S4  [R0402]  218.95 227.84 0 bottom
R3  NC/100K-1-S4  [R0402]  184.15 131.06 180 bottom
R4  NC/100K-1-S4  [R0402]  181.61 131.06 180 bottom
R5  0-5-S4  [R0402]  222.38 272.16 270 bottom
R6  1M-1-S4  [R0402]  222.38 274.32 270 bottom
R7  49.9-1-S4  [R0402]  178.5 217.52 90 bottom
R8  49.9-1-S4  [R0402]  178.5 215.38 90 bottom
R9  49.9-1-S4  [R0402]  164.91 217.52 90 bottom
R10  49.9-1-S4  [R0402]  164.91 215.38 90 bottom
R11  49.9-1-S4  [R0402]  212.03 231.24 90 bottom
R12  49.9-1-S4  [R0402]  212.03 229.1 90 bottom
R13  49.9-1-S4  [R0402]  198.44 231.24 90 bottom
R14  49.9-1-S4  [R0402]  198.44 229.1 90 bottom
R15  49.9-1-S4  [R0402]  296.06 299.66 180 bottom
R16  49.9-1-S4  [R0402]  298.21 299.66 180 bottom
R17  49.9-1-S4  [R0402]  296.06 286.07 180 bottom
R18  49.9-1-S4  [R0402]  298.21 286.07 180 bottom
R19  49.9-1-S4  [R0402]  309.27 299.66 180 bottom
R20  49.9-1-S4  [R0402]  311.42 299.66 180 bottom
R21  49.9-1-S4  [R0402]  309.27 286.07 180 bottom
R22  49.9-1-S4  [R0402]  311.42 286.07 180 bottom
R23  49.9-1-S4  [R0402]  349.4 299.66 180 bottom
R24  49.9-1-S4  [R0402]  351.55 299.66 180 bottom
R25  49.9-1-S4  [R0402]  349.4 286.07 180 bottom
R26  49.9-1-S4  [R0402]  351.55 286.07 180 bottom
R27  49.9-1-S4  [R0402]  335.94 299.66 180 bottom